# Altium PCB 202101904XB(公开).PcbDoc (part 4 of 6)
Units mil, origin at the board's own origin, x right, y up, seen from the top; angles counter-clockwise.
Board outline 5834.66 x 3390.86 mil, 10 copper layers (Top, GND_02, sig_03, GND04, sig_05, PWR06, GND07, sig_08, GND09, Bottom); 610 components, 281 nets, 2214 pads, 1000 vias.
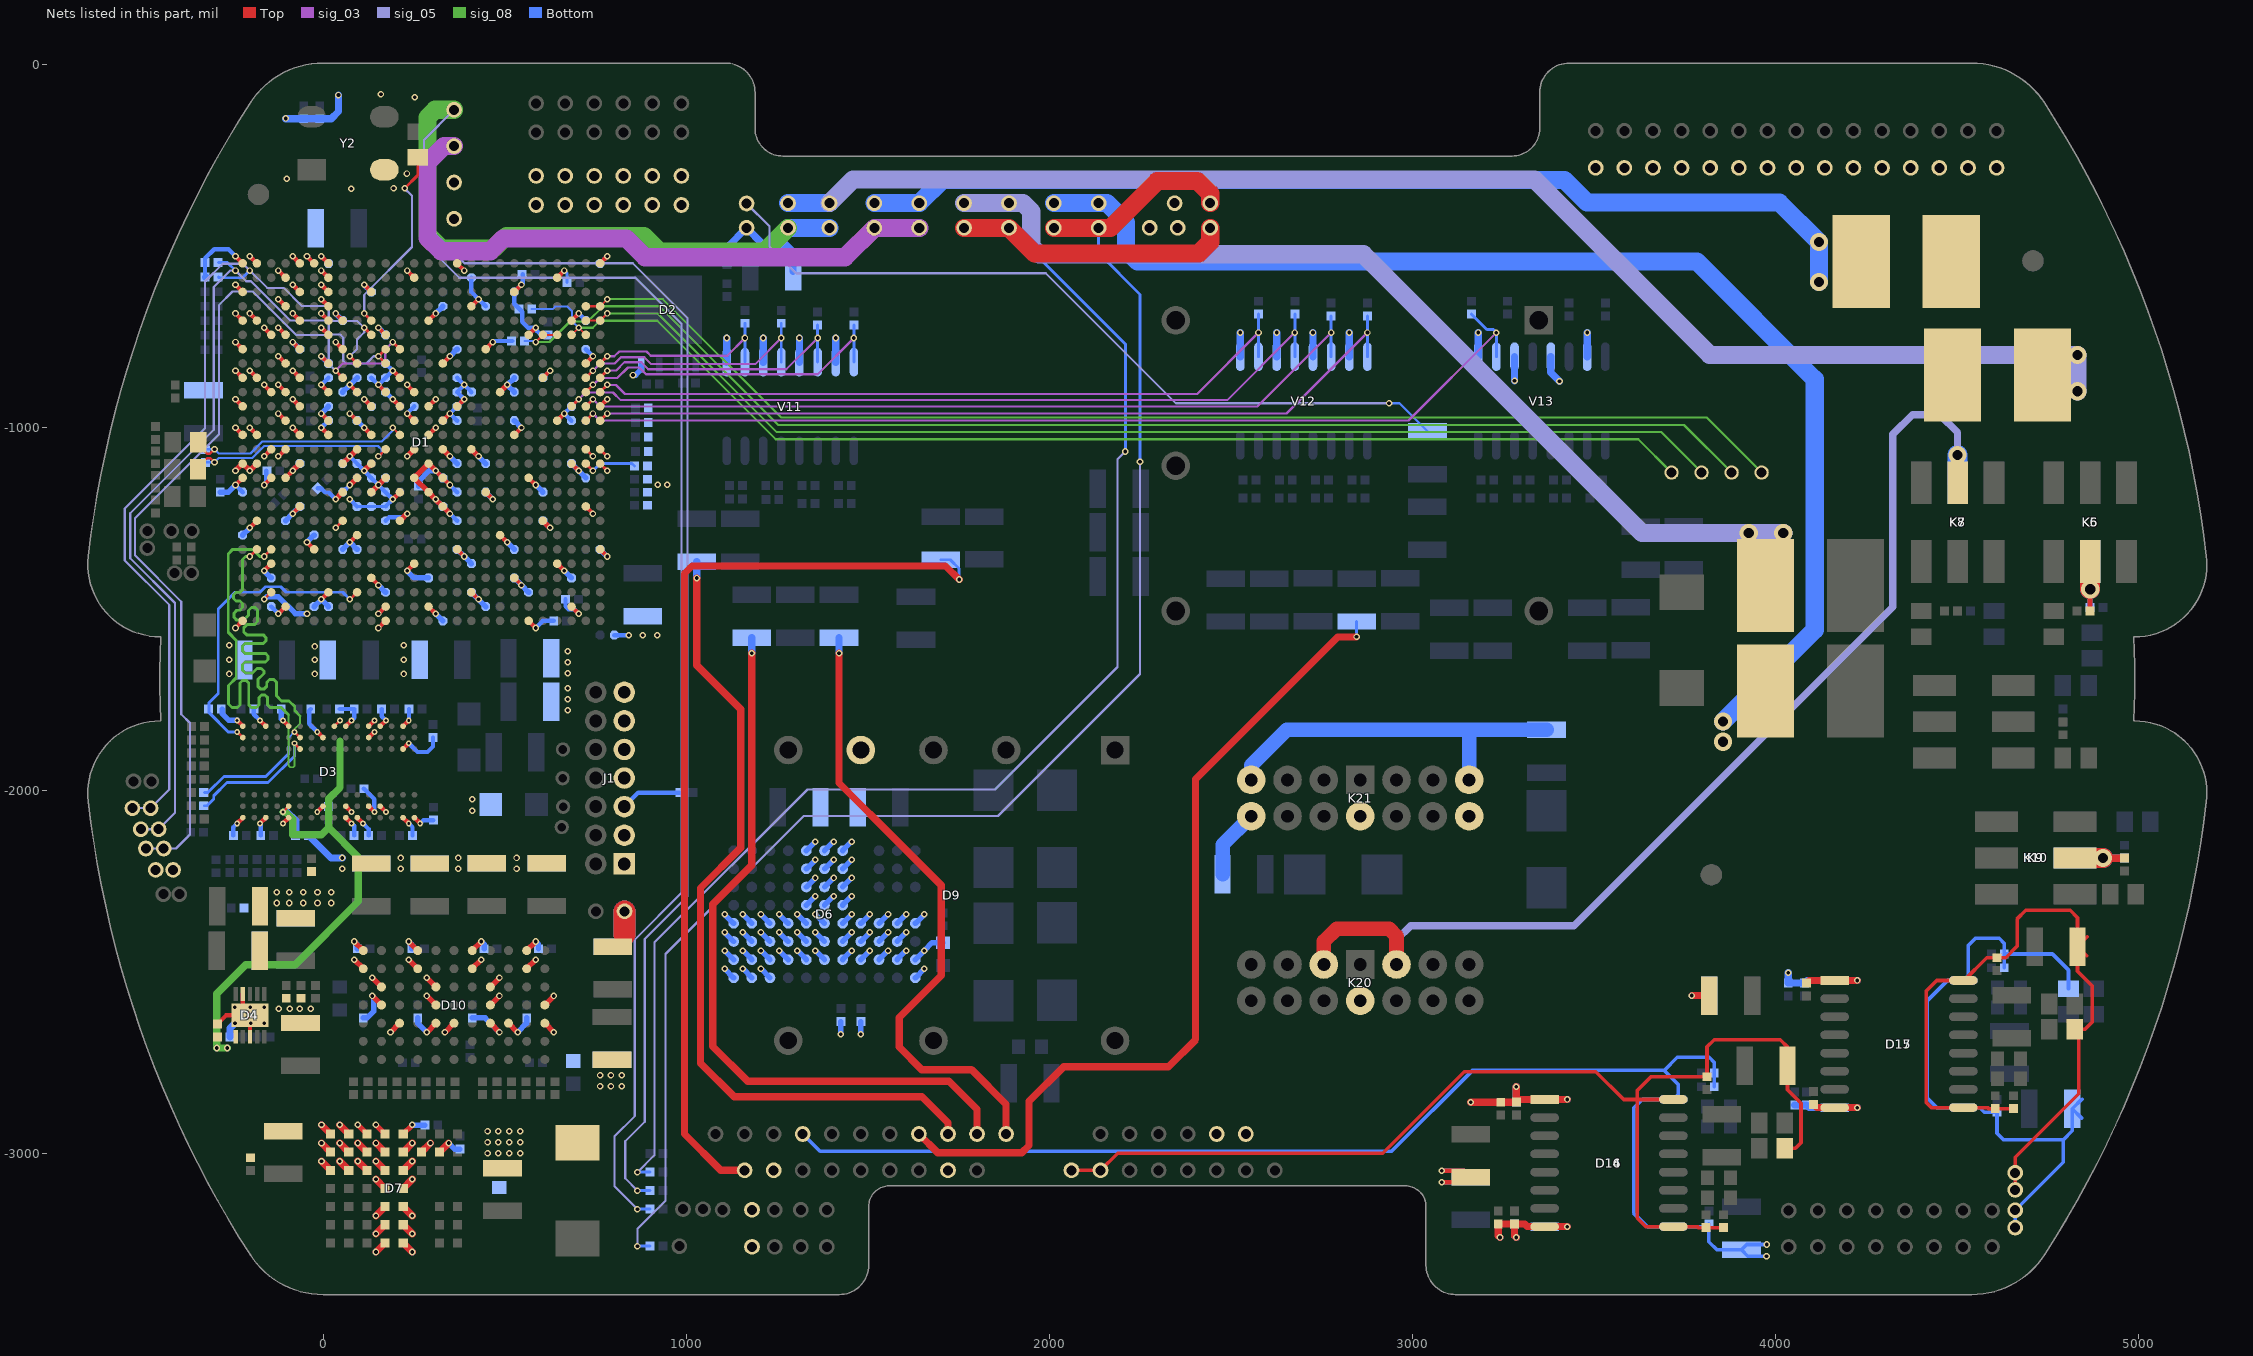
[diagram p12: the nets of this part, all layers, seen from the top]

## Via types
v1: diameter 18, hole 10, Top to Bottom, tented both sides, 880 vias
v2: diameter 16, hole 8, Top to Bottom, tented both sides, 91 vias
v3: diameter 50, hole 28, Top to Bottom, tented both sides, 22 vias
v4: diameter 24, hole 12, Top to Bottom, tented both sides, 5 vias
v5: diameter 40, hole 40, Top to Bottom, 2 vias

## Nets (pads, with @x,y where several pads share a name; then routed paths per layer and width w, separated by ;. In a path a pad name is that pad's centre, name@x,y a point inside that pad or via, vN(x,y) a via of type N, cw(c..) or ccw(c..) an arc to the next point about the centre after c; other vN are vias at no path point) (continued)
DDR3-RESET: D1.AD9 D3.T2 R208.2 | length 847.3
  Top w8: v2(-236.61,-1838.9) D3.T2@-220.87,-1854.64 ; v1(73.74,-1474.2) D1.AD9@93.42,-1454.53
  Bottom w8: v2(-236.61,-1838.9) -261.19,-1838.9 -313.64,-1786.45 -313.64,-1776.14 -313.64,-1758.4 -288.67,-1733.43 -288.67,-1500.42 -242.67,-1454.42 -173.67,-1454.42 -158.67,-1439.42 -116.67,-1439.42 -101.67,-1454.42 53.96,-1454.42 v1(73.74,-1474.2)
DDR3-S0: D1.AA2 D3.L2 R46.1 | length 1519.5
  Top w8: v1(-201.85,-1356.09) D1.AA2@-182.17,-1336.42 ; v2(-79.13,-1838.9) D3.L2@-63.39,-1854.64
  sig_08 w5: v2(-79.13,-1838.9) -79.13,-1831.58 -63.57,-1816.02 -63.57,-1794.92
  sig_08 w8: v1(-201.85,-1356.09) -213.67,-1356.09 -221.67,-1364.09 -221.67,-1447.53 -228.7,-1454.56 -239.99,-1454.56 -247.02,-1461.59 -247.02,-1471.53 -239.99,-1478.56 -228.7,-1478.56 -221.67,-1485.59 -221.67,-1496.62 -229.17,-1504.12 -237.67,-1504.12 -245.67,-1512.12 -245.67,-1523.44 -237.67,-1531.44 -218.79,-1531.44 -205.07,-1517.72 -205.07,-1504.42 -197.07,-1496.42 -186.67,-1496.42 -180.27,-1502.82 -180.27,-1534.92 -188.27,-1542.92 -209.07,-1542.92 -218.49,-1552.34 -218.49,-1563.66 -210.49,-1571.66 -164.8,-1571.66 -157.77,-1578.69 -157.77,-1588.63 -164.8,-1595.66 -214.64,-1595.66 -221.67,-1602.69 -221.67,-1615.69 -214.64,-1622.72 -158.8,-1622.72 -151.77,-1629.75 -151.77,-1639.69 -158.8,-1646.72 -214.64,-1646.72 -221.67,-1653.75 -221.67,-1669.22 -213.67,-1677.22 -194.71,-1677.22 -181.81,-1664.32 -170.49,-1664.32 -163.09,-1671.72 -163.09,-1678.42 -179.77,-1695.1 -179.77,-1713.42 -171.77,-1721.42 -163.27,-1721.42 -155.27,-1713.42 -155.27,-1702.64 -147.27,-1694.64 -135.95,-1694.64 -127.87,-1702.72 -127.87,-1740.12 -114.37,-1753.62 -93.77,-1753.62 -78.17,-1769.22 -78.17,-1780.32 -63.57,-1794.92
  Bottom w5: -94.78,-1879 -94.78,-1854.55 v2(-79.13,-1838.9)
  Bottom w8: R46.1@-326.99,-2005.42 -316.67,-2005.42 -272.67,-1961.42 -157.67,-1961.42 -94.78,-1898.53 -94.78,-1879
DDR3-WE: D1.AA3 D3.L3 R43.1 | length 1521.5
  Top w8: v1(-162.48,-1356.09) D1.AA3@-142.8,-1336.42 ; v2(-79.13,-1870.4) D3.L3@-63.39,-1886.14
  sig_08 w5: -94.87,-1792.02 -94.87,-1932.42 -90.77,-1936.52 -82.77,-1936.52 -79.13,-1932.88 v2(-79.13,-1870.4)
  sig_08 w8: v1(-162.48,-1356.09) -174.7,-1356.09 -194.47,-1336.32 -248.67,-1336.32 -261.22,-1348.87 -261.22,-1564.87 -239.07,-1587.02 -239.07,-1689.82 -260.47,-1711.22 -260.47,-1761.92 -250.67,-1771.72 -235.67,-1771.72 -228.64,-1764.69 -228.64,-1704.74 -221.61,-1697.71 -211.67,-1697.71 -204.64,-1704.74 -204.64,-1764.69 -197.61,-1771.72 -183.64,-1771.72 -176.61,-1764.69 -176.61,-1744.75 -169.58,-1737.72 -159.64,-1737.72 -152.61,-1744.75 -152.61,-1764.69 -145.58,-1771.72 -115.17,-1771.72 -94.87,-1792.02
  Bottom w8: R43.1@-326.99,-2042.45 -319.7,-2042.45 -301.17,-2023.92 -301.17,-2014.92 -264.67,-1978.42 -151.67,-1978.42 -79.13,-1905.88 v2(-79.13,-1870.4)
DDRVREF: C69.2 C192.1 D1.AD3 D1.AE11 D1.W8 D3.H1 D3.M8 D4.6 | length 1702
  Top w8: v1(-162.48,-1474.2) D1.AD3@-142.8,-1454.53 ; v2(-110.63,-2059.36) D3.M8@-94.88,-2043.62 ; D3.H1@31.1,-1823.15 v2(46.84,-1807.41) ; v1(34.37,-1277.35) D1.W8@54.05,-1257.68
  Top w12: v1(152.48,-1513.57) D1.AE11@172.16,-1493.9
  sig_08 w20: v1(-263.67,-2709.42) v1(-292.67,-2709.42) -292.67,-2559.67 -213,-2480 -77,-2480 97,-2306 97,-2184.23 15.33,-2102.55 ; v2(-110.63,-2059.36) -103.67,-2059.36 -83.67,-2079.36 -83.67,-2122.55 -4.67,-2122.55 15.33,-2102.55 ; 46.33,-1864.42 46.33,-1992.42 15.33,-2023.42 15.33,-2102.55
  Bottom w15: v1(-162.48,-1474.2) -154.7,-1466.42 -123.67,-1466.42 -76.51,-1513.58 v1(-44.37,-1513.58)
  Bottom w20: v2(-110.63,-2059.36) -99.73,-2059.36 -75.63,-2083.46 C69.2@-75.62,-2124.14
DZSB0: R174.1 XJH13.1 | length 2621.5
  Top w20: XJH13.1@1160.58,-3046.14 1095.05,-3046.14 995,-2946.1 995,-1403 1016,-1382 1713.9,-1382 v1(1751.33,-1419.42)
  Bottom w8: R174.1@1700.58,-1365.08 1726.99,-1365.08 1751.33,-1389.42 v1(1751.33,-1419.42)
DZSB0-F: D1.K25 R146.1 V11.16 | length 917.9
  Top w8: D1.K25@723.34,-903.34 v1(743.02,-883.66)
  sig_03 w6: v1(743.02,-883.66) 762.26,-864.42 810.33,-864.42 839.33,-835.42 870.33,-835.42 889.33,-854.42 1361.58,-854.42 v1(1461.58,-754.42)
  Bottom w8: V11.16@1461.58,-821.02 v1(1461.58,-754.42) R146.1@1461.58,-718.74
DZSB1: R175.1 XJH14.1 | length 1732.9
  Top w20: v1(1420.58,-1622.42) 1420.58,-1979.67 1586.33,-2145.42 1702.33,-2261.42 1702.33,-2509.64 1586.33,-2625.64 1586.33,-2706.68 1648.64,-2769 1785.65,-2769 1880.58,-2863.93 XJH14.1@1880.58,-2946.14
  Bottom w20: v1(1420.58,-1622.42) R175.1@1420.58,-1580.08
DZSB1-F: D1.J26 R147.1 V11.14 | length 762.3
  Top w8: D1.J26@762.71,-863.97 v1(782.39,-844.29)
  sig_03 w6: v1(782.39,-844.29) 806.66,-844.29 829.53,-821.42 876.13,-821.42 895.13,-840.42 1275.58,-840.42 v1(1361.58,-754.42)
  Bottom w8: V11.14@1361.58,-821.02 v1(1361.58,-754.42) R147.1@1361.58,-718.74
DZSB2: R176.1 XJH15.1 | length 2036.8
  Top w20: v1(1180.58,-1622.42) 1180.58,-2206.17 1073,-2313.75 1073,-2705.09 1168.86,-2800.95 1723.3,-2800.95 1800.59,-2878.24 XJH15.1@1800.59,-2946.14
  Bottom w20: v1(1180.58,-1622.42) R176.1@1180.58,-1580.08
DZSB2-F: D1.J25 R148.1 V11.12 | length 706.6
  Top w8: D1.J25@723.34,-863.97 v1(743.02,-844.29)
  sig_03 w6: v1(743.02,-844.29) 762.89,-824.42 803.33,-824.42 820.33,-807.42 884.33,-807.42 903.33,-826.42 1189.58,-826.42 v1(1261.58,-754.42)
  Bottom w8: V11.12@1261.58,-821.02 v1(1261.58,-754.42) R148.1@1261.58,-713.74
DZSB3: R177.1 XJH16.1 | length 2257.4
  Top w20: v1(1028.62,-1415.42) 1028.62,-1655.62 1150,-1777 1150,-2157.75 1039,-2268.75 1039,-2751.08 1131.82,-2843.89 1649.1,-2843.89 1720.58,-2915.37 XJH16.1@1720.58,-2946.14
  Bottom w20: v1(1028.62,-1415.42) R177.1@1028.62,-1370.39
DZSB3-F: D1.H26 R149.1 V11.10 | length 545.2
  Top w8: D1.H26@762.71,-824.6 v1(782.39,-804.92)
  sig_03 w6: v1(782.39,-804.92) 801.83,-804.92 815.33,-791.42 890.33,-791.42 902.33,-803.42 1112.58,-803.42 v1(1161.58,-754.42)
  Bottom w8: V11.10@1161.58,-821.02 v1(1161.58,-754.42) R149.1@1161.58,-713.74
DZSB4: R178.1 XJH17.1 | length 2348.7
  Top w20: XJH17.1@1640.58,-2946.14 1692.5,-2998.06 1923.67,-2998.06 1943.82,-2977.91 1943.82,-2856.38 2039.04,-2761.15 2327.6,-2761.15 2402.43,-2686.32 2402.43,-1968.89 2793.9,-1577.42 v1(2845.58,-1577.42)
  Bottom w8: v1(2845.58,-1577.42) R178.1@2845.58,-1535.08
DZSB4-F: D1.M26 R150.1 V12.16 | length 2325.7
  Top w8: D1.M26@762.71,-982.08 v1(782.39,-962.4)
  sig_03 w6: v1(782.39,-962.4) 2652.6,-962.4 v1(2875.58,-739.42)
  Bottom w8: V12.16@2875.58,-806.02 v1(2875.58,-739.42) R150.1@2875.58,-693.74
FPGA-CLK: D1.E10 R3.2 | length 535.6
  Top w8: v1(113.11,-686.81) D1.E10@132.79,-706.49 ; v1(224.31,-342.58) 260.58,-306.31 R3.2@260.58,-257
  sig_05 w6: v1(113.11,-686.81) 113.11,-635.64 244.64,-504.11 244.64,-362.91 v1(224.31,-342.58)
GDFS1-F: D1.L25 R151.1 V12.14 | length 2265.6
  Top w8: D1.L25@723.34,-942.71 v1(743.02,-923.03)
  sig_03 w6: v1(743.02,-923.03) 763.41,-943.42 2571.58,-943.42 v1(2775.58,-739.42)
  Bottom w8: V12.14@2775.58,-806.02 v1(2775.58,-739.42) R151.1@2775.58,-693.74
GDFS2-F: D1.K26 R153.1 V12.10 | length 2018.6
  Top w8: D1.K26@762.71,-903.34 v1(782.39,-883.66)
  sig_03 w6: v1(782.39,-883.66) 806.57,-883.66 831.33,-908.42 2406.58,-908.42 v1(2575.58,-739.42)
  Bottom w8: V12.10@2575.58,-806.02 v1(2575.58,-739.42) R153.1@2575.58,-688.74
GDFS3-F: D1.L24 R152.1 V12.12 | length 2210.5
  Top w8: D1.L24@683.97,-942.71 v1(703.65,-923.03)
  sig_03 w6: v1(703.65,-923.03) 722.26,-904.42 798.33,-904.42 819.33,-925.42 2489.58,-925.42 v1(2675.58,-739.42)
  Bottom w8: V12.12@2675.58,-806.02 v1(2675.58,-739.42) R152.1@2675.58,-688.74
GND: 3.1 4.1 C1.2 C2.2 C3.2 C4.2 C5.2 C6.2 C7.2 C8.2 C9.2 C10.2 C11.2 C12.2 C13.2 C14.2 C15.2 C16.2 C17.2 C18.2 C19.2 C20.2 C21.2 C22.2 C23.2 C24.2 C25.2 C26.2 C27.2 C28.2 C29.2 C30.2 C31.2 C32.2 C33.2 C34.2 C35.2 C36.2 C37.2 C38.2 C39.2 C40.2 C41.2 C42.2 C43.2 C44.2 C45.2 C47.1 C53.1 C55.1 C57.1 C59.1 C65.1 C66.1 C67.1 C68.1 C69.1 C70.1 C71.1 C72.1 C73.1 C74.1 C75.1 C76.1 C77.1 C78.1 C79.1 C80.1 C81.1 C82.1 C83.1 C84.1 C85.1 C86.1 C87.1 C88.1 C89.1 C90.1 C91.1 C92.1 C93.1 C94.1 C95.1 C96.1 C97.1 C98.1 C99.1 C100.1 C101.1 C103.2 C109.1 C110.1 C113.1 C114.1 C118.1 C119.1 C120.1 C121.1 C122.1 C123.1 C125.1 C126.1 C129.1 C130.1 C155.2 C156.2 C159.2 C160.2 C167.1 C168.1 C169.1 C170.1 C171.1 C172.1 C173.1 C174.1 C175.1 C176.1 C177.1 C178.1 C179.1 C180.1 C181.1 C182.1 C183.1 C184.1 C185.1 C186.1 C187.1 C188.1 C189.1 C190.1 C191.1 C192.2 C193.2 C201.1 C202.1 C204.1 C205.1 C207.1 C211.1 C213.1 C217.1 C218.1 C219.1 C220.1 C221.1 C222.1 C223.1 C224.1 C225.1 C226.1 C227.1 C228.2 C229.2 C230.1 C231.1 C232.1 C272.1 C273.2 C281.1 C282.1 C283.1 C284.1 C285.1 C286.1 C287.1 C288.1 C289.1 C290.1 C402.1 C403.2 D1.A1 D1.A2 D1.A5 D1.A6 D1.A7 D1.A16 D1.A26 D1.AA6 D1.AA16 D1.AA26 D1.AB3 D1.AB13 D1.AB23 D1.AC10 D1.AC20 D1.AD7 D1.AD17 D1.AE4 D1.AE14 D1.AE24 D1.AF1 D1.AF11 D1.AF21 D1.B4 D1.B7 D1.B13 D1.B23 D1.C1 D1.C5 D1.C7 D1.C10 D1.C20 D1.D4 D1.D7 D1.D17 D1.E1 D1.E2 D1.E5 D1.E7 D1.E8 D1.E14 D1.E24 D1.F3 D1.F4 D1.F7 D1.F11 D1.F21 D1.G1 D1.G5 D1.G8 D1.G18 D1.H4 D1.H7 D1.H15 D1.H25 D1.J1 D1.J2 D1.J5 D1.J12 D1.J22 D1.K3 D1.K4 D1.K7 D1.K9 D1.K11 D1.K13 D1.K19 D1.L1 D1.L5 D1.L10 D1.L12 D1.L14 D1.L16 D1.L26 D1.M4 D1.M7 D1.M9 D1.M13 D1.M15 D1.M23 D1.N1 D1.N2 D1.N5 D1.N7 D1.N10 D1.N14 D1.N20 D1.P3 D1.P4 D1.P9 D1.P13 D1.P15 D1.P17 D1.R1 D1.R2 D1.R5 D1.R8 D1.R10 D1.R14 D1.R24 D1.T1 D1.T3 D1.T4 D1.T9 D1.T11 D1.T13 D1.T15 D1.T21 D1.U8 D1.U10 D1.U12 D1.U14 D1.U18 D1.V5 D1.V15 D1.V25 D1.W2 D1.W12 D1.W22 D1.Y9 D1.Y19 D2.4 D3.A9 D3.B1 D3.B3 D3.B9 D3.D1 D3.D8 D3.E1 D3.E2 D3.E8 D3.F9 D3.G1 D3.G8 D3.G9 D3.J2 D3.J8 D3.M1 D3.M9 D3.P1 D3.P9 D3.T1 D3.T9 D4.4 D4.8 D4.11 D6.11 D6.12 D7.6 D7.11 D9.4 D10.A4 D10.A5 D10.B1 D10.B2 D10.C5 D10.D3 D10.D4 D10.D5 D10.E1 D10.E2 D10.F5 D10.G3 D10.G4 D10.G5 D10.H1 D10.H2 D10.J5 D10.K3 D10.K4 D10.L1 D10.L2 D14.1 D14.8 D15.1 D15.8 D16.1 D16.8 D17.1 D17.8 J1.1 J1.3 J1.5 J1.7 J1.9 J1.11 J1.13 J-1.1 K5.2 K6.2 K9.2 K10.2 K20.02 K21.02 K21.11 K21.21 K21.31 K21.41 L1.2 L7.1 R5.2 R6.2 R53.1 R54.1 R90.1 R200.1 R201.1 R208.1 R209.2 R210.2 R211.2 R212.2 R213.2 R214.2 R215.2 R216.1 R217.1 R218.2 R219.2 R220.2 R221.2 R222.2 R223.2 R224.2 R225.2 R245.1 R265.2 R266.2 R267.2 R268.1 V11.9 V11.11 V11.13 V11.15 V12.9 V12.11 V12.13 V12.15 V13.9 V13.11 V13.13 V13.15 V16.1 X4-48.1 X4-66.1 X7-20.1 X7-21.1 X7-22.1 X7-23.1 X7-24.1 X7-25.1 X7-26.1 X7-27.1 X7-28.1 X7-29.1 X7-30.1 X7-31.1 X7-32.1 X7-33.1 X7-34.1 X9-2.1 X10-2.1 X12-9.1 X12-10.1 XJC27.1 XJC40.1 XJC41.1 XJC42.1 XJC43.1 XJC44.1 XJC45.1 XJC52.1 XJC58.1 XJC59.1 XJC60.1 XJC61.1 XJC62.1 XJC63.1 XJC68.1 XJC69.1 XJH2.1 XJH10.1 Y2.2 | length 18007
  Top w12: C192.2@-290.93,-2643.31 -267.3,-2619.68 D4.11@-201.34,-2619.68 -221.03,-2599.99 D4.4@-221.02,-2560.62 ; v1(-241.22,-1552.94) D1.AF1@-221.54,-1533.27 ; v1(-241.22,-1159.24) D1.T1@-221.54,-1139.57 ; v1(-241.22,-1001.77) D1.N1@-221.54,-1021.45 ; v1(-241.22,-923.03) D1.L1@-221.54,-942.71 ; v1(-241.22,-844.29) D1.J1@-221.54,-863.97 ; v1(-241.22,-765.55) D1.G1@-221.54,-785.23 ; v1(-241.22,-686.81) D1.E1@-221.54,-706.49 ; v1(-241.22,-608.07) D1.C1@-221.54,-627.75 ; v1(-241.22,-529.33) D1.A1@-221.54,-549.01 ; v2(-236.61,-2090.85) D3.T9@-220.87,-2075.11 ; v2(-236.61,-1807.41) D3.T1@-220.87,-1823.15 ; v1(-201.85,-1277.35) D1.W2@-182.17,-1257.68 ; v1(-201.85,-1001.77) D1.N2@-182.17,-1021.45 ; v1(-201.85,-844.29) D1.J2@-182.17,-863.97 ; v1(-201.85,-686.81) D1.E2@-182.17,-706.49 ; v1(-201.85,-529.33) D1.A2@-182.17,-549.01 ; D4.8@-201.34,-2678.74 -201.34,-2643.09 v1(-199.67,-2641.42) ; v2(-173.62,-2090.85) D3.P9@-157.87,-2075.11 ; v2(-173.62,-1807.41) D3.P1@-157.88,-1823.15 ; v1(-162.48,-1395.46) D1.AB3@-142.8,-1375.79 ; v1(-162.48,-1159.24) D1.T3@-142.8,-1139.57 ; v1(-162.48,-1080.5) D1.P3@-142.8,-1060.83 ; v1(-162.48,-883.66) D1.K3@-142.8,-903.34 ; v1(-162.48,-726.18) D1.F3@-142.8,-745.86 ; v1(-123.11,-1513.57) D1.AE4@-103.43,-1493.9 ; v1(-123.11,-1080.5) D1.P4@-103.43,-1060.83 ; v1(-123.11,-962.4) D1.M4@-103.43,-982.08 ; v1(-123.11,-883.66) D1.K4@-103.43,-903.34 ; v1(-123.11,-804.92) D1.H4@-103.43,-824.6 ; v1(-123.11,-726.18) D1.F4@-103.43,-745.86 ; v1(-123.11,-647.44) D1.D4@-103.43,-667.12 ; v1(-123.11,-568.7) D1.B4@-103.43,-588.38 ; v2(-110.63,-2090.85) D3.M9@-94.88,-2075.11 ; v2(-110.63,-1807.41) D3.M1@-94.89,-1823.15 ; D1.T4@-103.43,-1139.57 v1(-83.74,-1119.87) ; v1(-83.74,-1237.98) D1.V5@-64.06,-1218.31 ; v1(-83.74,-1001.77) D1.N5@-64.06,-1021.45 ; v1(-83.74,-923.03) D1.L5@-64.06,-942.71 ; v1(-83.74,-844.29) D1.J5@-64.06,-863.97 ; v1(-83.74,-765.55) D1.G5@-64.06,-785.23 ; v1(-83.74,-686.81) D1.E5@-64.06,-706.49 ; v1(-83.74,-608.07) D1.C5@-64.06,-627.75 ; v1(-83.74,-529.33) D1.A5@-64.06,-549.01 ; v1(-44.37,-1316.73) D1.AA6@-24.69,-1336.42 ; v1(-44.37,-529.33) D1.A6@-24.69,-549.01 ; v2(-16.14,-2059.36) D3.J8@-0.39,-2043.62 ; v2(-16.14,-1838.9) D3.J2@-0.39,-1854.64 ; v1(-5,-1474.2) D1.AD7@14.68,-1454.53 ; v1(-5,-1001.77) D1.N7@14.68,-1021.45 ; v1(-5,-962.4) D1.M7@14.68,-982.08 ; v1(-5,-883.66) D1.K7@14.68,-903.34 ; v1(-5,-804.92) D1.H7@14.68,-824.6 ; v1(-5,-726.18) D1.F7@14.68,-745.86 ; v1(-5,-686.81) D1.E7@14.68,-706.49 ; v1(-5,-647.44) D1.D7@14.68,-667.12 ; v1(-5,-608.07) D1.C7@14.68,-627.75 ; v1(-5,-568.7) D1.B7@14.68,-588.38 ; v1(-5,-529.33) D1.A7@14.68,-549.01 ; v1(34.37,-765.55) D1.G8@54.05,-785.23 ; v1(34.37,-686.81) D1.E8@54.05,-706.49 ; D3.G9@62.6,-2075.11 v2(78.33,-2090.85) ; D3.G8@62.6,-2043.62 v2(78.33,-2059.36) ; D3.G1@62.59,-1823.15 v2(78.33,-1807.41) ; v1(73.74,-1316.72) D1.Y9@93.42,-1297.05 ; v1(73.74,-962.4) D1.M9@93.42,-982.08 ; v1(73.74,-883.66) D1.K9@93.42,-903.34 ; D3.F9@94.09,-2075.11 v2(109.83,-2090.85) ; v1(113.11,-1001.77) D1.N10@132.79,-1021.45 ; v1(113.11,-923.03) D1.L10@132.79,-942.71 ; v1(113.11,-608.07) D1.C10@132.79,-627.75 ; D3.E8@125.58,-2043.62 v2(141.32,-2059.36) ; D3.E2@125.58,-1854.64 v2(141.32,-1838.9) ; D3.E1@125.58,-1823.15 v2(141.32,-1807.41) ; D1.AC10@132.79,-1415.16 v1(152.47,-1434.83) ; v1(152.48,-1552.94) D1.AF11@172.16,-1533.27 ; v1(152.48,-883.66) D1.K11@172.16,-903.34 ; v1(152.48,-726.18) D1.F11@172.16,-745.86 ; D3.D8@157.09,-2043.62 v2(172.82,-2059.36) ; D3.D1@157.09,-1823.15 v2(172.82,-1807.41) ; v1(191.85,-1198.61) D1.U12@211.53,-1178.94 ; v1(191.85,-923.03) D1.L12@211.53,-942.71 ; v1(191.85,-844.29) D1.J12@211.53,-863.97 ; D3.B9@220.08,-2075.11 v2(235.81,-2090.85) ; D3.B3@220.08,-1886.14 v2(235.81,-1870.4) ; D3.B1@220.07,-1823.15 v2(235.81,-1807.41) ; v1(231.22,-1395.46) D1.AB13@250.9,-1375.79 ; v1(231.22,-962.4) D1.M13@250.9,-982.08 ; v1(231.22,-883.66) D1.K13@250.9,-903.34 ; v1(231.22,-568.7) D1.B13@250.9,-588.38 ; D3.A9@251.57,-2075.11 v2(267.31,-2090.85) ; D1.AE14@290.27,-1493.9 v1(309.95,-1513.57) ; D1.N14@290.27,-1021.45 v1(309.95,-1001.77) ; D1.L14@290.27,-942.71 v1(309.95,-923.03) ; D1.E14@290.27,-706.49 v1(309.95,-686.81) ; v1(309.95,-1119.87) D1.T15@329.64,-1139.57 v1(349.32,-1159.24) ; D1.M15@329.64,-982.08 v1(349.32,-962.4) ; D1.H15@329.64,-824.6 v1(349.32,-804.92) ; D1.AA16@369.01,-1336.42 v1(388.69,-1356.09) ; D1.L16@369.01,-942.71 v1(388.69,-923.03) ; D1.A16@369.01,-549.01 v1(388.69,-568.69) ; D1.AD17@408.38,-1454.53 v1(428.06,-1474.2) ; D1.D17@408.38,-667.12 v1(428.06,-647.44) ; D1.U18@447.75,-1178.94 v1(467.43,-1198.61) ; D1.G18@447.75,-785.23 v1(467.43,-765.55) ; D1.Y19@487.12,-1297.05 v1(506.8,-1316.72) ; D1.AC20@526.49,-1415.16 v1(546.17,-1434.83) ; D1.N20@526.49,-1021.45 v1(546.17,-1001.77) ; D1.C20@526.49,-627.75 v1(546.17,-608.07) ; D1.AF21@565.86,-1533.27 v1(585.54,-1552.94) ; D1.T21@565.86,-1139.57 v1(585.54,-1159.24) ; D1.F21@565.86,-745.86 v1(585.54,-726.18) ; D1.J22@605.23,-863.97 v1(624.91,-844.29) ; D1.AB23@644.6,-1375.79 v1(664.28,-1395.46) ; D1.M23@644.6,-982.08 v1(664.28,-962.4) ; D1.B23@644.6,-588.38 v1(664.28,-568.7) ; D1.AE24@683.97,-1493.9 v1(703.65,-1513.57) ; D1.R24@683.97,-1100.2 v1(703.65,-1119.87) ; D1.E24@683.97,-706.49 v1(703.65,-686.81) ; D1.V25@723.34,-1218.31 v1(743.02,-1237.98) ; D1.H25@723.34,-824.6 v1(743.02,-804.92) ; D1.AA26@762.71,-1336.42 v1(782.39,-1356.09) ; D1.L26@762.71,-942.71 v1(782.39,-923.03) ; D1.A26@762.71,-549.01 v1(782.39,-529.33) ; v1(3080.33,-3079.42) 3144.86,-3079.42 C205.1@3159.61,-3064.67 3142.36,-3047.42 v1(3080.33,-3047.42)
  Top w15: v1(-241.22,-1119.87) D1.R1@-221.54,-1100.2 ; D1.R1@-221.54,-1100.2 v1(-201.85,-1119.87) D1.R2@-182.17,-1100.2 ; v1(-83.74,-1119.87) D1.R5@-64.06,-1100.2 ; v1(34.37,-1198.61) D1.U8@54.05,-1178.94 ; D1.R8@54.05,-1100.2 v1(73.74,-1080.5) D1.P9@93.42,-1060.83 ; v1(73.74,-1159.24) D1.T9@93.42,-1139.57 ; v1(85.58,-2466.14) D10.L2@110.58,-2491.14 ; v1(85.58,-2416.14) D10.L1@110.58,-2441.14 ; v1(95.58,-2921.14) D7.11@120.58,-2946.14 ; v1(113.11,-1119.87) D1.R10@132.79,-1100.2 ; D1.U10@132.79,-1178.94 v1(152.48,-1159.24) D1.T11@172.16,-1139.57 ; v1(135.58,-2566.14) D10.K4@160.58,-2591.14 ; v1(135.58,-2516.14) D10.K3@160.58,-2541.14 ; v1(145.58,-2921.14) D7.11@170.58,-2946.14 ; v1(185.58,-2666.14) D10.J5@210.58,-2641.14 ; D1.W12@211.53,-1257.68 v1(231.21,-1237.99) ; D7.11@220.58,-2946.14 v1(245.58,-2921.14) ; v1(231.22,-1080.5) D1.P13@250.9,-1060.83 ; v1(235.58,-2466.14) D10.H2@260.58,-2491.14 ; v1(235.58,-2416.14) D10.H1@260.58,-2441.14 ; v1(285.58,-2666.14) D10.G5@310.58,-2641.14 ; v1(285.58,-2566.14) D10.G4@310.58,-2591.14 ; v1(285.58,-2516.14) D10.G3@310.58,-2541.14 ; v1(309.95,-1119.87) D1.R14@290.27,-1100.2 D1.T13@250.9,-1139.57 D1.U14@290.27,-1178.94 v1(309.95,-1198.61) D1.V15@329.64,-1218.31 v1(349.32,-1237.98) ; D1.P15@329.64,-1060.83 v1(349.32,-1080.5) ; v1(335.58,-2666.14) D10.F5@360.58,-2641.14 ; D1.P17@408.38,-1060.83 v1(428.06,-1080.5) ; D10.E2@410.58,-2491.14 v1(435.58,-2466.14) ; D10.E1@410.58,-2441.14 v1(435.58,-2416.14) ; D10.D5@460.58,-2641.14 v1(485.58,-2666.14) ; D10.D4@460.58,-2591.14 v1(485.58,-2566.14) ; D10.D3@460.58,-2541.14 v1(485.58,-2516.14) ; D1.K19@487.12,-903.34 v1(506.8,-883.66) ; D10.C5@510.58,-2641.14 v1(535.58,-2666.14) ; D10.B2@560.58,-2491.14 v1(585.58,-2466.14) ; D10.B1@560.58,-2441.14 v1(585.58,-2416.14) ; D1.W22@605.23,-1257.68 v1(624.91,-1277.35) ; D10.A5@610.58,-2641.14 v1(635.58,-2666.14) ; D10.A4@610.58,-2591.14 v1(635.58,-2566.14) ; C156.2@4865.16,-1506.14 4865.15,-1446.57 v3(4865.58,-1446.14)